# Altium PCB AMP.PcbDoc (part 1 of 5) (continued)
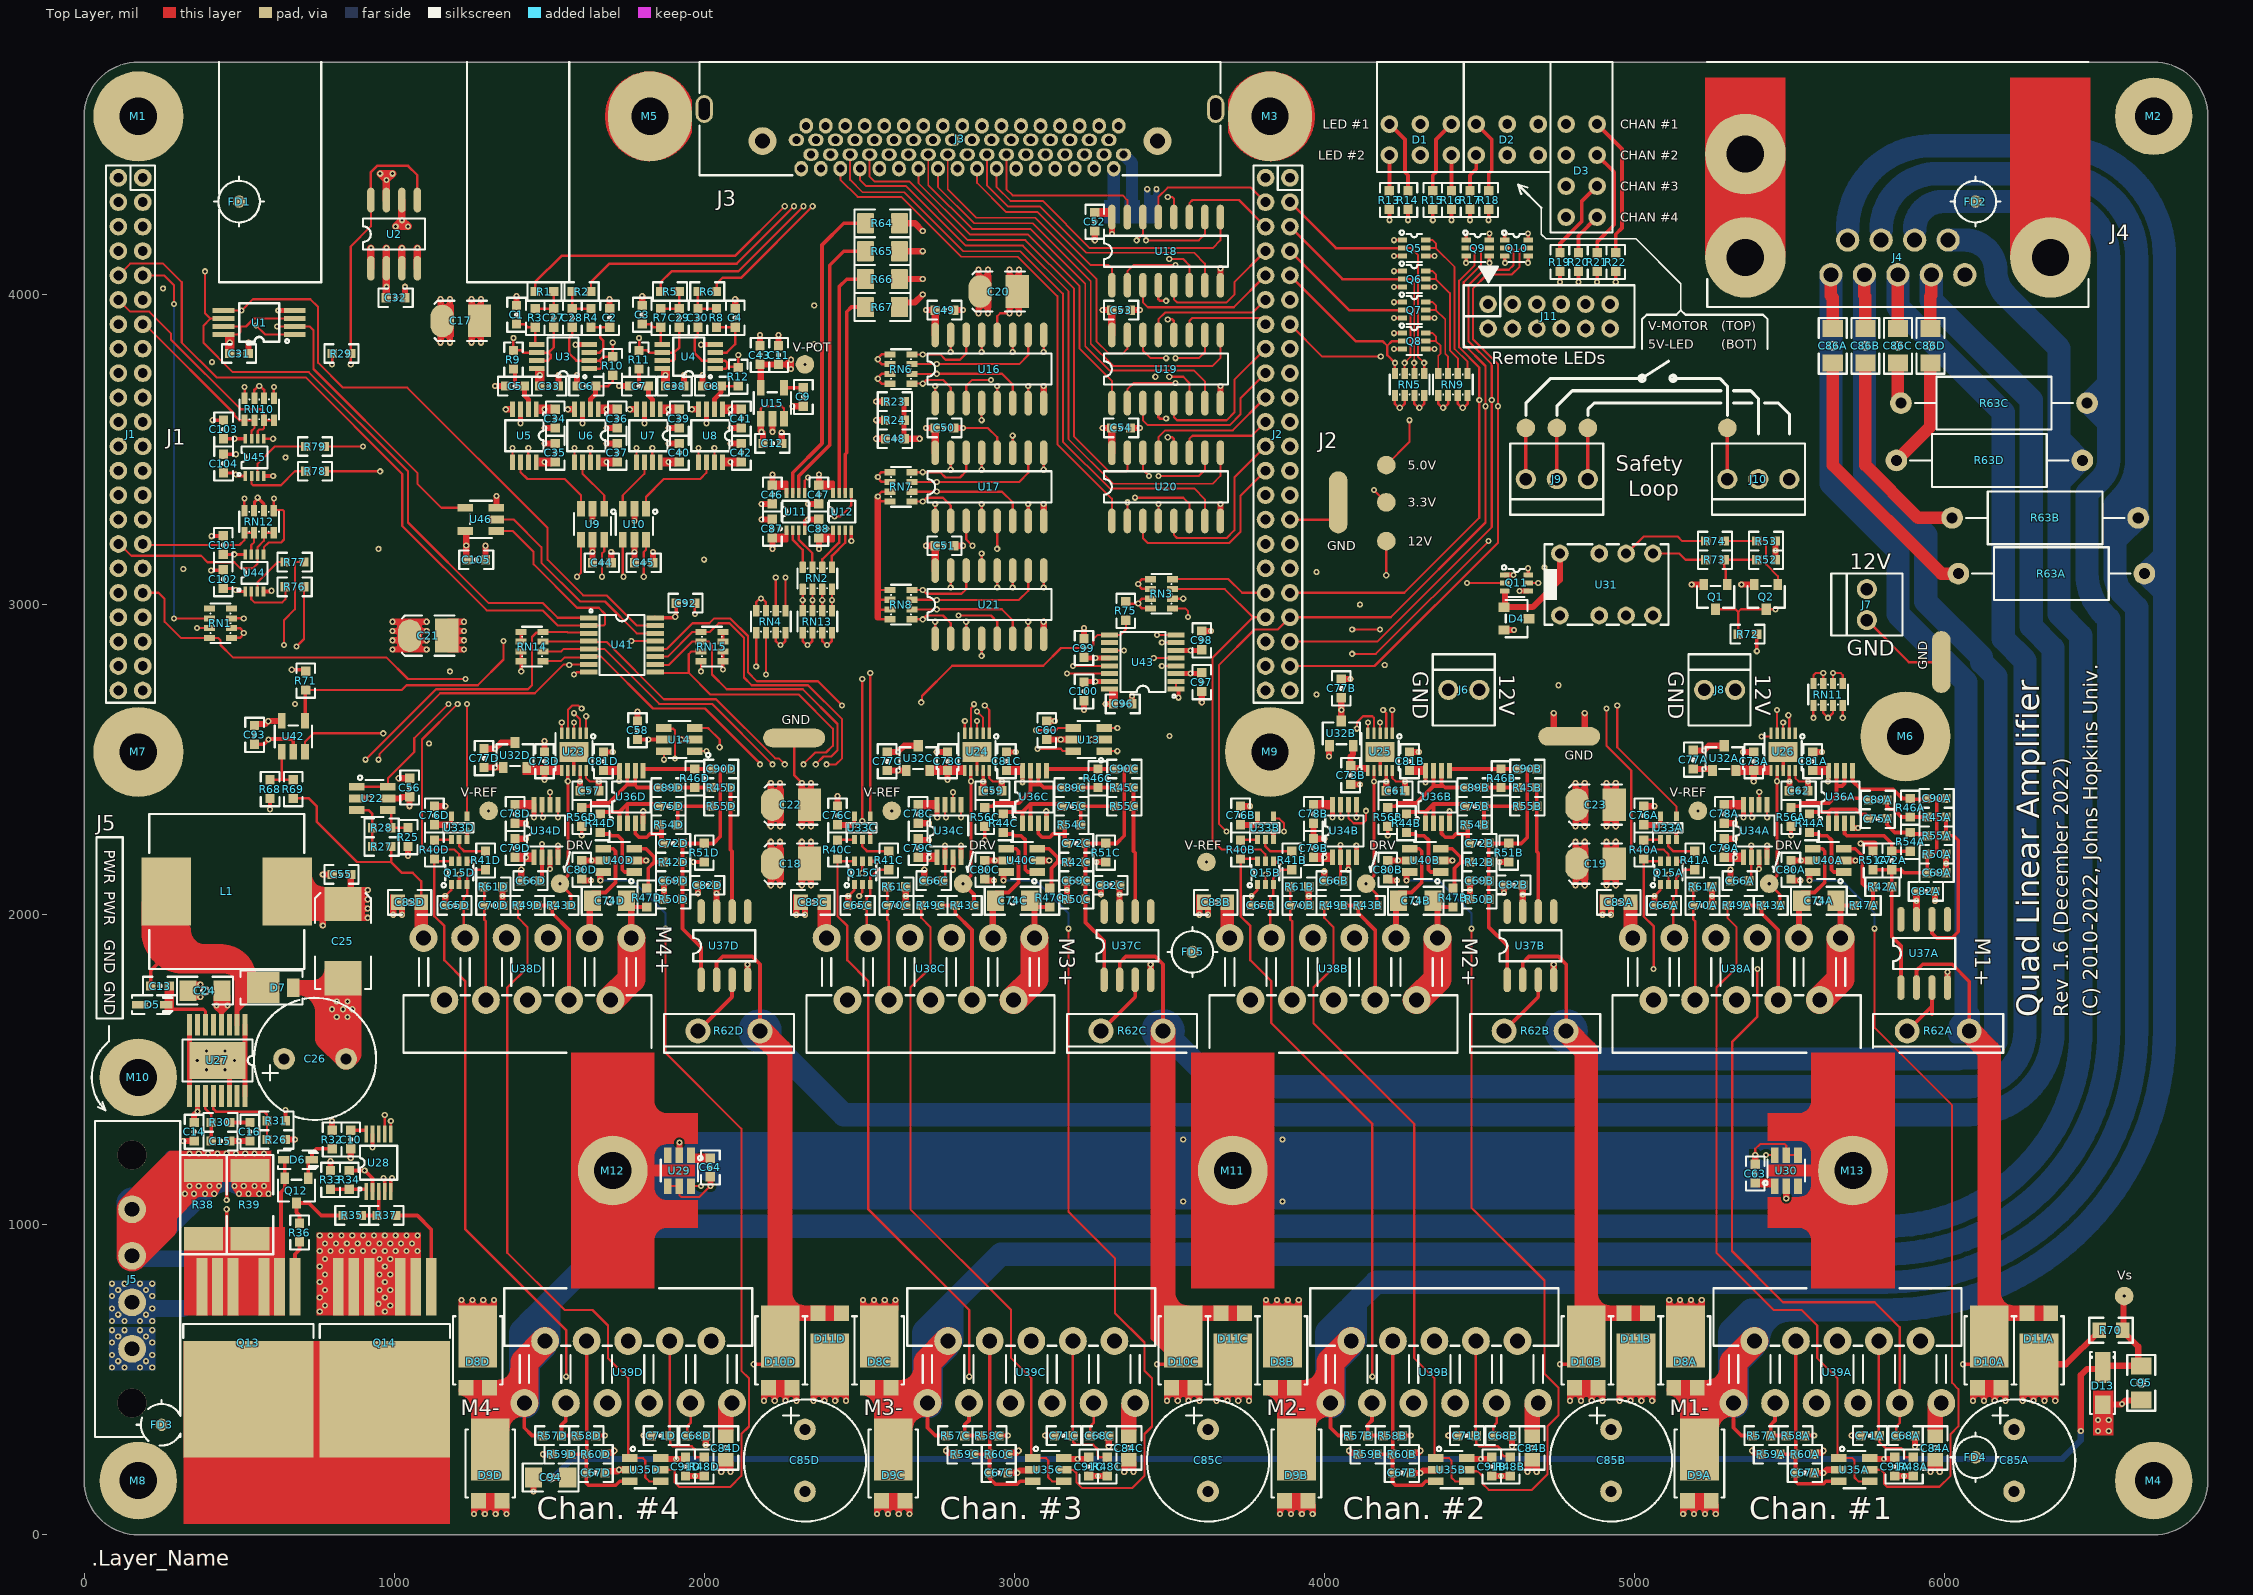
[diagram p0: Top Layer view]
## Components (designator, comment, footprint, x,y, rotation, side; value= is the part's Value field where it differs from the comment) (continued)
C70D "0.01uF" C0603 1320,2030 r0 top (schematic designator C70)
C71A "0.01uF" C0603 5760,320 r180 top (schematic designator C71)
C71B "0.01uF" C0603 4460,320 r180 top (schematic designator C71)
C71C "0.01uF" C0603 3160,320 r180 top (schematic designator C71)
C71D "0.01uF" C0603 1860,320 r180 top (schematic designator C71)
C72A "0.068uF" C0603 5830,2175 r90 top (schematic designator C72)
C72B "0.068uF" C0603 4500,2230 r180 top (schematic designator C72)
C72C "0.068uF" C0603 3200,2230 r180 top (schematic designator C72)
C72D "0.068uF" C0603 1900,2230 r180 top (schematic designator C72)
C73A "2.2uF" C0603 5385,2495 r90 top (schematic designator C73)
C73B "2.2uF" C0603 4085,2450 r270 top (schematic designator C73)
C73C "2.2uF" C0603 2785,2495 r90 top (schematic designator C73)
C73D "2.2uF" C0603 1485,2495 r90 top (schematic designator C73)
C74A "0.1uF" C1206 5595,2045 r0 top (schematic designator C74)
C74B "0.1uF" C1206 4295,2045 r0 top (schematic designator C74)
C74C "0.1uF" C1206 2995,2045 r0 top (schematic designator C74)
C74D "0.1uF" C1206 1695,2045 r0 top (schematic designator C74)
C75A "0.1uF" C0603 5785,2310 r180 top (schematic designator C75)
C75B "0.1uF" C0603 4485,2350 r180 top (schematic designator C75)
C75C "0.1uF" C0603 3185,2350 r180 top (schematic designator C75)
C75D "0.1uF" C0603 1885,2350 r180 top (schematic designator C75)
C76A "0.1uF" C0603 5030,2320 r90 top (schematic designator C76)
C76B "0.1uF" C0603 3730,2320 r90 top (schematic designator C76)
C76C "0.1uF" C0603 2430,2320 r90 top (schematic designator C76)
C76D "0.1uF" C0603 1130,2320 r90 top (schematic designator C76)
C77A "0.1uF" C0603 5190,2500 r270 top (schematic designator C77)
C77B "0.1uF" C0603 4055,2730 r90 top (schematic designator C77)
C77C "0.1uF" C0603 2590,2495 r270 top (schematic designator C77)
C77D "0.1uF" C0603 1290,2505 r270 top (schematic designator C77)
C78A "0.1uF" C0603 5290,2325 r270 top (schematic designator C78)
C78B "0.1uF" C0603 3965,2325 r270 top (schematic designator C78)
C78C "0.1uF" C0603 2690,2325 r270 top (schematic designator C78)
C78D "0.1uF" C0603 1390,2325 r270 top (schematic designator C78)
C79A "0.1uF" C0603 5290,2215 r90 top (schematic designator C79)
C79B "0.1uF" C0603 3965,2215 r90 top (schematic designator C79)
C79C "0.1uF" C0603 2690,2215 r90 top (schematic designator C79)
C79D "0.1uF" C0603 1390,2215 r90 top (schematic designator C79)
C80A "0.1uF" C0603 5505,2145 r270 top (schematic designator C80)
C80B "0.1uF" C0603 4205,2145 r270 top (schematic designator C80)
C80C "0.1uF" C0603 2905,2145 r270 top (schematic designator C80)
C80D "0.1uF" C0603 1605,2145 r270 top (schematic designator C80)
C81A "0.1uF" C0603 5575,2495 r90 top (schematic designator C81)
C81B "0.1uF" C0603 4275,2495 r90 top (schematic designator C81)
C81C "0.1uF" C0603 2975,2495 r90 top (schematic designator C81)
C81D "0.1uF" C0603 1675,2495 r90 top (schematic designator C81)
C82A "0.1uF" C0603 5940,2075 r0 top (schematic designator C82)
C82B "0.1uF" C0603 4610,2096 r180 top (schematic designator C82)
C82C "0.1uF" C0603 3310,2095 r180 top (schematic designator C82)
C82D "0.1uF" C0603 2010,2095 r180 top (schematic designator C82)
C83A "0.1uF" C0805#1 4950,2040 r0 top (schematic designator C83)
C83B "0.1uF" C0805#1 3650,2040 r0 top (schematic designator C83)
C83C "0.1uF" C0805#1 2350,2040 r0 top (schematic designator C83)
C83D "0.1uF" C0805#1 1050,2040 r0 top (schematic designator C83)
C84A "0.1uF" C0805#2 5970,280 r90 top (schematic designator C84)
C84B "0.1uF" C0805#2 4670,280 r90 top (schematic designator C84)
C84C "0.1uF" C0805#2 3370,280 r90 top (schematic designator C84)
C84D "0.1uF" C0805#2 2070,280 r90 top (schematic designator C84)
C85A "220uF" CAP-10MM 6225,240 r270 top (schematic designator C85)
C85B "220uF" CAP-10MM 4925,240 r270 top (schematic designator C85)
C85C "220uF" CAP-10MM 3625,240 r270 top (schematic designator C85)
C85D "220uF" CAP-10MM 2325,240 r270 top (schematic designator C85)
C86A "0.1uF" C1206 5640,3835 r270 top (schematic designator C86)
C86B "0.1uF" C1206 5745,3835 r270 top (schematic designator C86)
C86C "0.1uF" C1206 5850,3835 r270 top (schematic designator C86)
C86D "0.1uF" C1206 5955,3835 r270 top (schematic designator C86)
C87 "0.1uF" C0603 2220,3245 r90 top
C88 "0.1uF" C0603 2370,3245 r90 top
C89A "200pF" C0603 5785,2370 r180 top (schematic designator C89)
C89B "200pF" C0603 4485,2410 r180 top (schematic designator C89)
C89C "200pF" C0603 3185,2410 r180 top (schematic designator C89)
C89D "200pF" C0603 1885,2410 r180 top (schematic designator C89)
C90A "100pF" C0603 5975,2375 r180 top (schematic designator C90)
C90B "100pF" C0603 4655,2470 r180 top (schematic designator C90)
C90C "100pF" C0603 3355,2470 r180 top (schematic designator C90)
C90D "100pF" C0603 2055,2470 r180 top (schematic designator C90)
C91A "0.1uF" C0603 5840,220 r270 top (schematic designator C91)
C91B "0.1uF" C0603 4540,220 r270 top (schematic designator C91)
C91C "0.1uF" C0603 3240,220 r270 top (schematic designator C91)
C91D "0.1uF" C0603 1940,220 r270 top (schematic designator C91)
C92 "0.047uF" C0603 1940,3005 r0 top
C93 "0.1uF" C0603 550,2580 r270 top
C94 "2.2uF" C1206 1505,185 r180 top
C95 "2.2uF" C1206 6635,490 r270 top
C96 "0.1uF" C0603 3350,2680 r0 top
C97 "0.1uF" C0603 3605,2750 r270 top
C98 "0.1uF" C0603 3605,2885 r90 top
C99 "0.1uF" C0603 3225,2860 r90 top
C100 "0.1uF" C0603 3225,2720 r270 top
C101 "0.1uF" C0603 449.25,3192.38 r90 top
C102 "0.1uF" C0603 449.25,3082.38 r90 top
C103 "0.1uF" C0603 450,3565 r90 top
C104 "0.1uF" C0603 450,3455 r90 top
C105 "0.1uF" C0603 1265,3145 r0 top
D1 "RED/GREEN" LED-3MM-2C-DUAL 4310,4550 r0 top
D2 "RED/GREEN" LED-3MM-2C-DUAL 4590,4550 r0 top
D3 "GREEN" LED-3MM-QUAD 4830,4550 r0 top
D4 "DZ23C6V8" SOT-23#1 4620,2955 r270 top
D5 "1N4148WS" SOD-323 220,1710 r180 top
D6 "1N4148WS" SOD-323 690,1210 r180 top
D7 "60V, 1A" SMP 605,1765 r0 top
D8A "PDS560" POWERDI-5 5165,595 r0 top (schematic designator D8)
D8B "PDS560" POWERDI-5 3865,595 r0 top (schematic designator D8)
D8C "PDS560" POWERDI-5 2565,595 r0 top (schematic designator D8)
D8D "PDS560" POWERDI-5 1270,595 r0 top (schematic designator D8)
D9A "PDS560" POWERDI-5 5210,230 r0 top (schematic designator D9)
D9B "PDS560" POWERDI-5 3910,230 r0 top (schematic designator D9)
D9C "PDS560" POWERDI-5 2610,230 r0 top (schematic designator D9)
D9D "PDS560" POWERDI-5 1310,230 r0 top (schematic designator D9)
D10A "PDS560" POWERDI-5 6145,595 r0 top (schematic designator D10)
D10B "PDS560" POWERDI-5 4845,595 r0 top (schematic designator D10)
D10C "PDS560" POWERDI-5 3545,595 r0 top (schematic designator D10)
D10D "PDS560" POWERDI-5 2245,595 r0 top (schematic designator D10)
D11A "PDS560" POWERDI-5 6305,595 r180 top (schematic designator D11)
D11B "PDS560" POWERDI-5 5005,595 r180 top (schematic designator D11)
D11C "PDS560" POWERDI-5 3705,595 r180 top (schematic designator D11)
D11D "PDS560" POWERDI-5 2405,595 r180 top (schematic designator D11)
D12 "SMAJ64CA" SMA 320,810 r270 bottom
D13 "DFLZ36" PowerDI-123 6510,490 r270 top
FD1 "FD" FD 500,4300 r0 top
FD2 "FD" FD 6100,4300 r0 top
FD3 "FD" FD 250,355 r0 top
FD4 "FD" FD 6100,250 r0 top
FD5 "FD" FD 3575,1880 r0 top
J1 "HEADER 22x2-1" HDR-22x2-2MM 150,3550 r270 top locked
J2 "HEADER 22x2-1" HDR-22x2-2MM 3850,3550 r270 top locked
J3 "HEADER VHDCI" CONN-VHDCI 2825,4495 r180 top locked
J4 "DB9-GND" DB9F/RA-545-HDP 5850,4120 r0 top
J5 "HEADER 4" WM-BL381-4 155,825 r90 top
J6 "HEADER 2" HDR-2x1-100 4450,2725 r180 top
J7 "HEADER 2" HDR-2x1-100 5750,3000 r270 top
J8 "HEADER 2" HDR-2x1-100 5275,2725 r180 top
J9 "HEADER 3" HDR-3x1-100 4750,3405 r180 top
J10 "HEADER 3" HDR-3x1-100 5400,3405 r180 top
J11 "DF-11" HDR-6x2-2MM 4725,3930 r0 top
L1 "100uH" INDUCTOR-DR12x 460,2075 r0 top
M1 "MHOLE" MHOLE4#1 175,4575 r270 top
M2 "MHOLE" MHOLE4#2 6675,4575 r270 top
M3 "MHOLE" MHOLE4#3 3825,4575 r270 top
M4 "MHOLE" MHOLE4#2 6675,175 r270 top
M5 "MHOLE" MHOLE4#3 1825,4575 r270 top
M6 "MHOLE" MHOLE4#4 6025,2575 r270 top
M7 "MHOLE" MHOLE4#1 175,2525 r270 top
M8 "MHOLE" MHOLE4#2 175,175 r0 top
M9 "MHOLE" MHOLE4#1 3825,2525 r270 top
M10 "MHOLE" MHOLE4#2 175,1475 r0 top
M11 "MHOLE" MHOLE4#5 3705,1175 r0 top
M12 "MHOLE" MHOLE4#6 1705,1175 r0 top
M13 "MHOLE" MHOLE4#6 5705,1175 r0 top
Q1 "MMBT5551" SOT-23#2 5262,3025 r180 top
Q2 "MMBT5551" SOT-23#2 5425,3025 r180 top
Q5 "BSS8402" SC70-6 4290,4150 r270 top
Q6 "BSS8402" SC70-6 4290,4050 r270 top
Q7 "BSS8402" SC70-6 4290,3950 r270 top
Q8 "BSS8402" SC70-6 4290,3850 r270 top
Q9 "PMG30XN" SC70-6 4495,4150 r270 top
Q10 "PMG30XN" SC70-6 4620,4150 r270 top
Q11 "PMG30XN" SC70-6 4620,3070 r270 top
Q12 "MMBT5551" SOT-23#2 685,1110 r180 top
Q13 "IPB039N10N3" TO-263-7 530,495 r180 top
Q14 "IPB039N10N3" TO-263-7 970,495 r180 top
Q15A "PMG30XN" SC70-6 5110,2135 r0 top (schematic designator Q15)
Q15B "PMG30XN" SC70-6 3810,2135 r0 top (schematic designator Q15)
Q15C "PMG30XN" SC70-6 2510,2135 r0 top (schematic designator Q15)
Q15D "PMG30XN" SC70-6 1210,2135 r0 top (schematic designator Q15)
R1 "464" R0603#1 1485,4010 r0 top
R2 "464" R0603#1 1605,4010 r180 top
R3 "464" R0603#1 1455,3925 r270 top
R4 "464" R0603#1 1635,3925 r270 top
R5 "464" R0603#1 1890,4010 r0 top
R6 "464" R0603#1 2010,4010 r180 top
R7 "464" R0603#1 1860,3925 r270 top
R8 "464" R0603#1 2040,3925 r270 top
R9 "100" R0603#1 1385,3790 r270 top
R10 "100" R0603#1 1705,3770 r270 top
R11 "100" R0603#1 1790,3790 r270 top
R12 "100" R0603#1 2110,3735 r270 top
R13 "150" R0603#1 4210,4305 r90 top
R14 "150" R0603#1 4270,4305 r90 top
R15 "150" R0603#1 4350,4305 r90 top
R16 "150" R0603#1 4410,4305 r90 top
R17 "150" R0603#1 4470,4305 r270 top
R18 "150" R0603#1 4530,4305 r270 top
R19 "150" R0603#1 4760,4105 r270 top
R20 "150" R0603#1 4820,4105 r270 top
R21 "150" R0603#1 4880,4105 r270 top
R22 "150" R0603#1 4940,4105 r270 top
R23 "1.00K" R0603#1 2615,3655 r0 top
R24 "1.00K" R0603#1 2615,3595 r180 top
R25 "1.00K" R0603#1 1045,2250 r270 top
R26 "1.00K" R0603#1 620,1275 r0 top
R27 "127K" R0603#1 960,2220 r180 top
R28 "4.02K" R0603#1 960,2280 r0 top
R29 "4.02K" R0603#1 830,3810 r0 top
R30 "2.21K" R0603#1 440,1330 r180 top
R31 "8.87K" R0603#1 620,1335 r180 top
R32 "10.0K" R0603#1 800,1275 r90 top
R33 "2.43K" R0603#1 795,1145 r90 top
R34 "100K" R0603#1 855,1145 r270 top
R35 "1.00M" R0603#1 865,1030 r180 top
R36 "10.0" R0603#1 695,975 r270 top
R37 "10.0" R0603#1 975,1030 r0 top
R38 "0.006" R2512 385,1065 r270 top locked
R39 "0.006" R2512 535,1065 r270 top locked
R40A "10.0K" R0603#1 5030,2210 r90 top (schematic designator R40)
R40B "10.0K" R0603#1 3730,2210 r90 top (schematic designator R40)
R40C "10.0K" R0603#1 2430,2210 r90 top (schematic designator R40)
R40D "10.0K" R0603#1 1130,2210 r90 top (schematic designator R40)
R41A "10.0K" R0603#1 5195,2175 r90 top (schematic designator R41)
R41B "10.0K" R0603#1 3895,2175 r90 top (schematic designator R41)
R41C "10.0K" R0603#1 2595,2175 r90 top (schematic designator R41)
R41D "10.0K" R0603#1 1295,2175 r90 top (schematic designator R41)
R42A "10.0K" R0603#1 5800,2090 r0 top (schematic designator R42)
R42B "10.0K" R0603#1 4500,2170 r0 top (schematic designator R42)
R42C "10.0K" R0603#1 3200,2170 r0 top (schematic designator R42)
R42D "10.0K" R0603#1 1900,2170 r0 top (schematic designator R42)
R43A "10.0K" R0603#1 5440,2030 r180 top (schematic designator R43)
R43B "10.0K" R0603#1 4140,2030 r180 top (schematic designator R43)
R43C "10.0K" R0603#1 2840,2030 r180 top (schematic designator R43)
R43D "10.0K" R0603#1 1540,2030 r180 top (schematic designator R43)
R44A "10.0K" R0603#1 5565,2295 r270 top (schematic designator R44)
R44B "10.0K" R0603#1 4265,2295 r270 top (schematic designator R44)
R44C "10.0K" R0603#2 2965,2295 r270 top (schematic designator R44)
R44D "10.0K" R0603#1 1665,2295 r270 top (schematic designator R44)
R45A "26.7K" R0603#1 5975,2315 r180 top (schematic designator R45)
R45B "26.7K" R0603#1 4655,2410 r180 top (schematic designator R45)
R45C "26.7K" R0603#1 3355,2410 r180 top (schematic designator R45)
R45D "26.7K" R0603#1 2055,2410 r180 top (schematic designator R45)
R46A "26.7" R0603#1 5890,2345 r90 top (schematic designator R46)
R46B "26.7" R0603#1 4570,2440 r90 top (schematic designator R46)
R46C "26.7" R0603#1 3270,2440 r90 top (schematic designator R46)
R46D "26.7" R0603#1 1970,2440 r90 top (schematic designator R46)
R47A "182K" R0603#1 5740,2030 r180 top (schematic designator R47)
R47B "182K" R0603#1 4415,2055 r270 top (schematic designator R47)
R47C "182K" R0603#1 3115,2055 r270 top (schematic designator R47)
R47D "182K" R0603#1 1815,2055 r270 top (schematic designator R47)
R48A "4.99K" R0603#1 5900,220 r270 top (schematic designator R48)
R48B "4.99K" R0603#1 4600,220 r270 top (schematic designator R48)
R48C "4.99K" R0603#1 3300,220 r270 top (schematic designator R48)
R48D "4.99K" R0603#1 2000,220 r270 top (schematic designator R48)
R49A "182K" R0603#1 5330,2030 r180 top (schematic designator R49)
R49B "182K" R0603#1 4030,2030 r180 top (schematic designator R49)
R49C "182K" R0603#1 2730,2030 r180 top (schematic designator R49)
R49D "182K" R0603#1 1430,2030 r180 top (schematic designator R49)
R50A "62.0" R0603#1 5975,2195 r180 top (schematic designator R50)
R50B "62.0" R0603#1 4500,2050 r0 top (schematic designator R50)
R50C "62.0" R0603#1 3200,2050 r0 top (schematic designator R50)
R50D "62.0" R0603#1 1900,2050 r0 top (schematic designator R50)
R51A "62.0" R0603#1 5770,2175 r90 top (schematic designator R51)
R51B "62.0" R0603#1 4595,2200 r270 top (schematic designator R51)
R51C "62.0" R0603#1 3295,2200 r270 top (schematic designator R51)
R51D "62.0" R0603#1 2000,2200 r270 top (schematic designator R51)
R52 "4.99K" R0603#1 5425,3145 r0 top
R53 "4.99K" R0603#1 5425,3205 r0 top
R54A "26.7K" R0603#1 5890,2235 r270 top (schematic designator R54)
R54B "26.7K" R0603#1 4485,2290 r180 top (schematic designator R54)
R54C "26.7K" R0603#1 3185,2290 r180 top (schematic designator R54)
R54D "26.7K" R0603#1 1885,2290 r180 top (schematic designator R54)
R55A "26.7K" R0603#1 5975,2255 r180 top (schematic designator R55)
R55B "26.7K" R0603#1 4655,2350 r180 top (schematic designator R55)
R55C "26.7K" R0603#1 3355,2350 r180 top (schematic designator R55)
R55D "26.7K" R0603#1 2055,2350 r180 top (schematic designator R55)
R56A "100" R0603#1 5505,2315 r270 top (schematic designator R56)
R56B "100" R0603#1 4205,2315 r270 top (schematic designator R56)
R56C "100" R0603#1 2905,2315 r270 top (schematic designator R56)
R56D "100" R0603#1 1605,2315 r270 top (schematic designator R56)
R57A "20.0K" R0603#1 5410,320 r180 top (schematic designator R57)
R57B "20.0K" R0603#1 4110,320 r180 top (schematic designator R57)
R57C "20.0K" R0603#1 2810,320 r180 top (schematic designator R57)
R57D "20.0K" R0603#1 1510,320 r180 top (schematic designator R57)
R58A "20.0K" R0603#1 5520,320 r180 top (schematic designator R58)
R58B "20.0K" R0603#1 4220,320 r180 top (schematic designator R58)
R58C "20.0K" R0603#1 2920,320 r180 top (schematic designator R58)
R58D "20.0K" R0603#1 1620,320 r180 top (schematic designator R58)
R59A "20.0K" R0603#1 5440,260 r180 top (schematic designator R59)
R59B "20.0K" R0603#1 4140,260 r180 top (schematic designator R59)
R59C "20.0K" R0603#1 2840,260 r180 top (schematic designator R59)
R59D "20.0K" R0603#1 1540,260 r180 top (schematic designator R59)
R60A "20.0K" R0603#1 5550,260 r0 top (schematic designator R60)
R60B "20.0K" R0603#1 4250,260 r0 top (schematic designator R60)
R60C "20.0K" R0603#1 2950,260 r0 top (schematic designator R60)
R60D "20.0K" R0603#1 1650,260 r0 top (schematic designator R60)
R61A "6.04K" R0603#1 5220,2090 r0 top (schematic designator R61)
R61B "6.04K" R0603#1 3920,2090 r0 top (schematic designator R61)
R61C "6.04K" R0603#1 2620,2090 r0 top (schematic designator R61)
R61D "6.04K" R0603#1 1320,2090 r0 top (schematic designator R61)
R62A "0.20" TO-220-2 5980,1625 r180 top (schematic designator R62)
R62B "0.20" TO-220-2 4680,1625 r180 top (schematic designator R62)
R62C "0.20" TO-220-2 3380,1625 r180 top (schematic designator R62)
R62D "0.20" TO-220-2 2080,1625 r180 top (schematic designator R62)
R63A "4.70" R-1/2W 6345,3100 r0 top (schematic designator R63)
R63B "4.70" R-1/2W 6325,3280 r0 top (schematic designator R63)
R63C "4.70" R-1/2W 6160,3650 r0 top (schematic designator R63)
R63D "4.70" R-1/2W 6145,3465 r0 top (schematic designator R63)
R64 "100" R1206 2575,4230 r0 top
R65 "100" R1206 2575,4140 r0 top
R66 "100" R1206 2575,4050 r0 top
R67 "100" R1206 2575,3960 r0 top
R68 "1K" R0603#1 600,2405 r90 top
R69 "20K" R0603#1 675,2405 r270 top
R70 "1.5K" R0805 6537.37,659.9 r180 top
R71 "10K" R0603#1 715,2755 r270 top
R72 "10K" R0603#1 5365,2905 r180 top
R73 "49.9K" R0603#1 5260,3145 r0 top
R74 "49.9K" R0603#1 5260,3205 r0 top
R75 "1.0K" R0603#1 3360,2980 r90 top
R76 "100" R0603#1 679.25,3057.38 r0 top
R77 "100" R0603#1 679.25,3137.38 r0 top
R78 "100" R0603#1 745,3430 r0 top
R79 "100" R0603#1 745,3510 r0 top
RN1 "1.0K" RN-742C083#1 440,2940 r90 top
RN2 "1.0K" RN-742C083#2 2365,3085 r0 top
RN3 "1.0K" RN-742C083#1 3475,3035 r270 top
RN4 "1.0K" RN-742C083#1 2215,2945 r0 top
RN5 "1.0K" RN-742C083#1 4275,3710 r0 top
RN6 "10K" RN-742C083#1 2635,3760 r270 top
RN7 "10K" RN-742C083#1 2635,3380 r270 top
RN8 "10K" RN-742C083#1 2635,3000 r270 top
RN9 "10K" RN-742C083#1 4415,3710 r0 top
RN10 "100" RN-742C083#1 565,3630 r0 top
RN11 "100" RN-742C083#1 5625,2710 r180 top
RN12 "100" RN-742C083#1 564.25,3267.38 r0 top
RN13 "10K" RN-742C083#1 2365,2945 r0 top
RN14 "10K" RN-742C083#1 1445,2865 r90 top
RN15 "10K" RN-742C083#1 2025,2865 r90 top
U1 "25AA128" TSSOP-8 565,3910 r90 top
U2 "TPS2046" SO-8 1000,4195 r0 top
U3 "MCP6V87" MSOP-8 1545,3800 r90 top
U4 "MCP6V87" MSOP-8 1950,3800 r90 top
U5 "LTC1864 or AD7694" MSOP-8 1420,3545 r180 top
U6 "LTC1864 or AD7694" MSOP-8 1620,3545 r180 top
U7 "LTC1864 or AD7694" MSOP-8 1820,3545 r180 top
U8 "LTC1864 or AD7694" MSOP-8 2020,3545 r180 top
U9 "74LVC2G17" SOT-23-6 1640,3260 r180 top
U10 "74LVC2G17" SOT-23-6 1775,3260 r180 top
U11 "74LVC2T45" US8-8 2295,3300 r0 top
U12 "74LVC2T45" US8-8 2445,3300 r0 top
U13 "74LVC2G17" SOT-23-6 3240,2565 r90 top
U14 "74LVC2G17" SOT-23-6 1920,2565 r90 top
U15 "LP2985-4.5" SOT-23-5 2220,3650 r0 top
U16 "AM26LV32" SO-16 2920,3760 r0 top
U17 "AM26LV32" SO-16 2920,3380 r0 top
U18 "AM26LV32" SO-16 3490,4140 r0 top
U19 "AM26LV32" SO-16 3490,3760 r0 top
U20 "AM26LV32" SO-16 3490,3380 r0 top
U21 "AM26LV32" SO-16 2920,3000 r0 top
U22 "LT6700-1" SOT-23-6 930,2375 r270 top
U23 "LTC2601" DFN-10 1580,2525 r180 top
U24 "LTC2601" DFN-10 2880,2525 r180 top
U25 "LTC2601" DFN-10 4180,2525 r180 top
U26 "LTC2601" DFN-10 5480,2525 r180 top
U27 "LT1766" TSSOP-17 430,1530 r180 top
U28 "LT4356-MS10" MSOP-10 950,1200 r0 top
U29 "MAX6576" SOT-23-6 1920,1175 r180 top
U30 "MAX6576" SOT-23-6 5490,1175 r0 top
U31 "RELAY DPDT" RELAY-IM03TS 4910,3065 r0 top
U32A "AP7333-2.5SR" SOT-23#2 5290,2505 r0 top (schematic designator U32)
U32B "AP7333-2.5SR" SOT-23#2 4055,2585 r0 top (schematic designator U32)
U32C "AP7333-2.5SR" SOT-23#2 2690,2505 r0 top (schematic designator U32)
U32D "AP7333-2.5SR" SOT-23#2 1390,2515 r0 top (schematic designator U32)
U33A "SN74LVC1G08DCK" SC70-5 5110,2280 r0 top (schematic designator U33)
U33B "SN74LVC1G08DCK" SC70-5 3810,2280 r0 top (schematic designator U33)
U33C "SN74LVC1G08DCK" SC70-5 2510,2280 r0 top (schematic designator U33)
U33D "SN74LVC1G08DCK" SC70-5 1210,2280 r0 top (schematic designator U33)
U34A "LTC1864 or AD7694" MSOP-8 5390,2270 r0 top (schematic designator U34)
U34B "LTC1864 or AD7694" MSOP-8 4065,2270 r0 top (schematic designator U34)
U34C "LTC1864 or AD7694" MSOP-8 2790,2270 r0 top (schematic designator U34)
U34D "LTC1864 or AD7694" MSOP-8 1490,2270 r0 top (schematic designator U34)
U35A "OPA990S" SOT-23-6 5710,210 r270 top (schematic designator U35)
U35B "OPA990S" SOT-23-6 4410,210 r270 top (schematic designator U35)
U35C "OPA990S" SOT-23-6 3110,210 r270 top (schematic designator U35)
U35D "OPA990S" SOT-23-6 1810,210 r270 top (schematic designator U35)
U36A "MCP6V87" MSOP-8 5665,2380 r0 top (schematic designator U36)
U36B "MCP6V87" MSOP-8 4365,2380 r0 top (schematic designator U36)
U36C "MCP6V87" MSOP-8 3065,2380 r0 top (schematic designator U36)
U36D "MCP6V87" MSOP-8 1765,2380 r0 top (schematic designator U36)
U37A "LT1990" SO-8 5935,1875 r0 top (schematic designator U37)
U37B "LT1990" SO-8 4665,1900 r0 top (schematic designator U37)
U37C "LT1990" SO-8 3365,1900 r0 top (schematic designator U37)
U37D "LT1990" SO-8 2065,1900 r0 top (schematic designator U37)
U38A "OPA549" POWER-11-T 5330,1670 r180 top locked (schematic designator U38)
U38B "OPA549" POWER-11-T 4030,1670 r180 top locked (schematic designator U38)
U38C "OPA549" POWER-11-T 2730,1670 r180 top locked (schematic designator U38)
U38D "OPA549" POWER-11-T 1430,1670 r180 top locked (schematic designator U38)
U39A "OPA549" POWER-11-T 5655,680 r0 top locked (schematic designator U39)
U39B "OPA549" POWER-11-T 4355,680 r0 top locked (schematic designator U39)
U39C "OPA549" POWER-11-T 3055,680 r0 top locked (schematic designator U39)
U39D "OPA549" POWER-11-T 1755,680 r0 top locked (schematic designator U39)
U40A "TS5A3159A" SOT-23-6 5625,2175 r90 top (schematic designator U40)
U40B "TS5A3159A" SOT-23-6 4325,2175 r90 top (schematic designator U40)
U40C "TS5A3159A" SOT-23-6 3025,2175 r90 top (schematic designator U40)
U40D "TS5A3159A" SOT-23-6 1725,2175 r90 top (schematic designator U40)
U41 "MAX7317AEE+" QSOP-16#1 1735,2870 r270 top
U42 "LMV331M5" SOT-23-5 675,2575 r0 top
U43 "LTC2604" QSOP-16#2 3415,2815 r90 top
U44 "74LVC2T45" US8-8 549.25,3102.38 r0 top
U45 "74LVC2T45" US8-8 550,3475 r0 top
U46 "74AHC1G125" SOT-23-5 1280,3275 r90 top

## Footprints (in the part's own frame and the unit in brackets; to place one, negate y for a bottom-side part, rotate by r counter-clockwise, add the part's x,y. Pads: shape width x height; smd on the part's side, far side on the other; paste and mask are expansions set on the pad)
C0603 [mil]
  rect 30x30 smd mask+2: 1(-30,0) 2(30,0)
  silkscreen extent -55,-30 55,30, body extent -30,-15 30,15, height 24
C0805#1 [mil]
  rect 45x50 smd mask+2: 1(-37.5,0)
  rect 44x50 smd mask+2: 2(37.5,0)
  silkscreen extent -70,-40 70,40, body extent -40,-25 40,25, height 40
C0805#2 [mil]
  rect 44x50 smd mask+2: 1(-37.5,0) 2(37.5,0)
  silkscreen extent -70,-40 70,40, body extent -40,-25 40,25, height 40
C1206 [mil]
  rect 55x65 smd mask+2: 1(-55,0) 2(55,0)
  silkscreen extent -90,-45 90,45, body extent -69,-32 69,32, height 54
CAP-10MM [mil]
  round 70 / inner round 56 / far side round 70 hole 36: 1(-100,0) 2(100,0)
  silkscreen extent -197,-197 197,197
CAP-B#1 [mil]
  oval 75x105 smd mask+2: 1(-60,0)
  rect 75x105 smd mask+2: 2(60,0)
  Top Layer region: -22.5,52.5 -60,52.5 -60,-52.5 -22.5,-52.5
  silkscreen extent -85,-65 85,65, body extent -72,-59 72,59, height 87
CAP-B#2 [mil]
  oval 75x105 smd mask+2: 1(-60,0)
  rect 75x110 smd mask+2: 2(60,0)
  Top Layer region: -22.5,52.5 -60,52.5 -60,-52.5 -22.5,-52.5
  silkscreen extent -85,-65 85,65, body extent -72,-59 72,59, height 87
CAP-D-43 [mil]
  rect 110x120 smd mask+2: 1(-120,0) 2(120,0)
  silkscreen extent -155,-90 155,90, body extent -148,-91 148,91, height 173
CONN-VHDCI [mil]
  oval 44x50 hole 26: 1(511.81,88.58) 3(448.82,88.58) 5(385.83,88.58) 7(322.83,88.58) 9(259.84,88.58) 11(196.85,88.58) 13(133.86,88.58) 15(70.87,88.58) 17(7.87,88.58) 19(-55.12,88.58) 21(-118.11,88.58) 23(-181.1,88.58) 25(-244.09,88.58) 27(-307.09,88.58) 29(-370.08,88.58) 31(-433.07,88.58) 33(-496.06,88.58) 36(496.06,-49.21) 38(433.07,-49.21) 40(370.08,-49.21) 42(307.09,-49.21) 44(244.09,-49.21) 46(181.1,-49.21) 48(118.11,-49.21) 50(55.12,-49.21) 52(-7.87,-49.21) 54(-70.87,-49.21) 56(-133.86,-49.21) 58(-196.85,-49.21) 60(-259.84,-49.21) 62(-322.83,-49.21) 64(-385.83,-49.21) 66(-448.82,-49.21) 68(-511.81,-49.21)
  oval 50x40 hole 26: 2(480.31,43.31) 4(417.32,43.31) 6(354.33,43.31) 8(291.34,43.31) 10(228.35,43.31) 12(165.35,43.31) 14(102.36,43.31) 16(39.37,43.31) 18(-23.62,43.31) 20(-86.61,43.31) 22(-149.61,43.31) 24(-212.6,43.31) 26(-275.59,43.31) 28(-338.58,43.31) 30(-401.57,43.31) 32(-464.57,43.31) 34(-527.56,43.31) 35(527.56,-3.94) 37(464.57,-3.94) 39(401.57,-3.94) 41(338.58,-3.94) 43(275.59,-3.94) 45(212.6,-3.94) 47(149.61,-3.94) 49(86.61,-3.94) 51(23.62,-3.94) 53(-39.37,-3.94) 55(-102.36,-3.94) 57(-165.35,-3.94) 59(-228.35,-3.94) 61(-291.34,-3.94) 63(-354.33,-3.94) 65(-417.32,-3.94) 67(-480.31,-3.94)
  round 90 / inner round 90 / far side round 120 hole 48: 69(637,0)
  round 90 / inner round 80 / far side round 120 hole 48: 70(-637,0)
  oval 56x90 / inner oval 66x100 / far side oval 86x150 hole 36 slot 70 at 90 deg: 71(824.8,-103.54) 72(-824.8,-103.54)
  silkscreen extent -840,-255 840,110
DB9F/RA-545-HDP [mil] "Amp P/N:5205866-1"
  round 75 / inner round 70 / far side round 80 hole 48: 1(-216,-56) 2(-108,-56) 3(0,-56) 4(108,-56) 5(216,-56) 6(-162,56) 7(-54,56) 8(54,56) 9(162,56)
  round 260 / inner round 165 / far side round 250 hole 120: 10(492,0) 11(-492,0)
  silkscreen extent -615,-160 615,630
DFN-10 [mil]
  rect 11x36 smd mask+1: 1(-39.37,-60) 2(-19.69,-60) 3(0,-60) 4(19.69,-60) 5(39.37,-60) 6(39.37,60) 7(19.69,60) 8(0,60) 9(-19.69,60) 10(-39.37,60)
  rect 94x65 / inner round 20 / far side round 20 hole 10 mask+2: 11(0,0)
  silkscreen extent -69,-60 60,60, body extent -61,-61 61,61, height 31
FD [mil]
  round 40 smd paste-25: 0(0,0)
  silkscreen extent -80,-80 80,80
HDR-2x1-100 [mil] "AMP 0.100"
  round 65 / inner round 60 / far side round 75 hole 40: 1(-50,0) 2(50,0)
  silkscreen extent -100,-115 100,115
HDR-3x1-100 [mil] "AMP 0.100"
  round 65 / inner round 60 / far side round 75 hole 40: 1(100,0) 2(0,0) 3(-100,0)
  silkscreen extent -150,-115 150,115
HDR-6x2-2MM [mil]
  round 57 / inner round 52 / far side round 65 hole 32: 1(-196.85,39.37) 2(-196.85,-39.37) 3(-118.11,39.37) 4(-118.11,-39.37) 5(-39.37,39.37) 6(-39.37,-39.37) 7(39.37,39.37) 8(39.37,-39.37) 9(118.11,39.37) 10(118.11,-39.37) 11(196.85,39.37) 12(196.85,-39.37)
  silkscreen extent -275,-100 275,100
HDR-22x2-2MM [mil]
  round 57 / inner round 52 / far side round 65 hole 32: 1(-826.77,39.37) 2(-826.77,-39.37) 3(-748.03,39.37) 4(-748.03,-39.37) 5(-669.29,39.37) 6(-669.29,-39.37) 7(-590.55,39.37) 8(-590.55,-39.37) 9(-511.81,39.37) 10(-511.81,-39.37) 11(-433.07,39.37) 12(-433.07,-39.37) 13(-354.33,39.37) 14(-354.33,-39.37) 15(-275.59,39.37) 16(-275.59,-39.37) 17(-196.85,39.37) 18(-196.85,-39.37) 19(-118.11,39.37) 20(-118.11,-39.37) 21(-39.37,39.37) 22(-39.37,-39.37) 23(39.37,39.37) 24(39.37,-39.37) 25(118.11,39.37) 26(118.11,-39.37) 27(196.85,39.37) 28(196.85,-39.37) 29(275.59,39.37) 30(275.59,-39.37) 31(354.33,39.37) 32(354.33,-39.37) 33(433.07,39.37) 34(433.07,-39.37) 35(511.81,39.37) 36(511.81,-39.37) 37(590.55,39.37) 38(590.55,-39.37) 39(669.29,39.37) 40(669.29,-39.37) 41(748.03,39.37) 42(748.03,-39.37) 43(826.77,39.37) 44(826.77,-39.37)
  silkscreen extent -866,-79 866,79
INDUCTOR-DR12x [mil]
  rect 160x220 smd: 1(-195,0) 2(195,0)
  silkscreen extent -250,-250 250,250
LED-3MM-2C-DUAL [mil] "Kingbright WP130WCP"
  round 57 / inner round 52 / far side round 65 hole 32: 1(100,0) 2(0,0) 3(-100,0) 4(100,-100) 5(0,-100) 6(-100,-100)
  silkscreen extent -140,-155 140,200
LED-3MM-QUAD [mil] "Dialight 553-xxxx"
  round 57 / inner round 52 / far side round 65 hole 32 mask+2: 1(-50,0) 2(50,0) 3(-50,-100) 4(50,-100) 5(-50,-200) 6(50,-200) 7(-50,-300) 8(50,-300)
  silkscreen extent -100,-350 100,200
MHOLE4#1 [mil]
  round 290 / inner round 170 / far side round 290 hole 120: 1(0,0)
MHOLE4#2 [mil]
  round 250 / inner round 170 / far side round 290 hole 120: 1(0,0)
MHOLE4#3 [mil]
  oval 290x270 / inner round 170 / far side round 200 hole 120: 1(0,0)
MHOLE4#4 [mil]
  round 290 / inner round 170 / far side round 290 hole 120: 1(0,-150)
MHOLE4#5 [mil]
  round 225 / inner round 170 / far side round 225 hole 120: 1(0,0)
MHOLE4#6 [mil]
  round 225 / inner round 170 / far side round 250 hole 120: 1(0,0)
MSOP-8 [mil]
  rect 16x50 smd mask+1: 1(-38.39,-85) 2(-12.8,-85) 3(12.8,-85) 4(38.39,-85) 5(38.39,85) 6(12.8,85) 7(-12.8,85) 8(-38.39,85)
  silkscreen extent -70,-75 62,50, body extent -59,-96 59,96, height 43
MSOP-10 [mil]
  rect 11.5x55 smd mask+1: 1(-39.37,-92.5) 2(-19.69,-92.5) 3(0,-92.5) 4(19.69,-92.5) 5(39.37,-92.5) 6(39.37,92.5) 7(19.69,92.5) 8(0,92.5) 9(-19.69,92.5) 10(-39.37,92.5)
  silkscreen extent -65,-90 60,55, body extent -59,-96 59,96, height 43
POWER-11-T [mil]
  round 90 / inner round 80 / far side round 100 hole 48 mask+1: 1(-335,-255) 2(-268,-55) 3(-201,-255) 4(-134,-55) 5(-67,-255) 6(0,-55) 7(67,-255) 8(134,-55) 9(201,-255) 10(268,-55) 11(335,-255)
  silkscreen extent -400,-190 400,115
POWERDI-5 [mil]
  rect 48x50 smd: 1(-38,-120) 2(38,-120)
  rect 125x200 smd: 3(0,45)
  silkscreen extent -80,-110 80,110, body extent -80,-133 80,133, height 45
PowerDI-123 [mil]
  rect 100x50 smd mask+2: 1(-50,0)
  rect 60x50 smd mask+2: 2(70,0)
  silkscreen extent -100,-40 100,40, body extent -77,-38 77,38, height 39
QSOP-16#1 [mil] "QSOP-16 (Maxim), SSOP-16"
  rect 16x57.5 smd paste+0 mask+0: 1(-87.5,-107.25) 2(-62.5,-107.25) 3(-37.5,-107.25) 4(-12.5,-107.25) 5(12.5,-107.25) 6(37.5,-107.25) 7(62.5,-107.25) 8(87.5,-107.25) 9(87.5,107.25) 10(62.5,107.25) 11(37.5,107.25) 12(12.5,107.25) 13(-12.5,107.25) 14(-37.5,107.25) 15(-62.5,107.25) 16(-87.5,107.25)
  silkscreen extent -115,-105 97,73
QSOP-16#2 [mil] "QSOP-16 (Maxim), SSOP-16"
  rect 16x55 smd paste+0 mask+0: 1(-87.5,-107.25) 2(-62.5,-107.25) 3(-37.5,-107.25) 4(-12.5,-107.25) 5(12.5,-107.25) 6(37.5,-107.25) 7(62.5,-107.25) 8(87.5,-107.25) 9(87.5,107.25) 10(62.5,107.25) 11(37.5,107.25) 12(12.5,107.25) 13(-12.5,107.25) 14(-37.5,107.25) 15(-62.5,107.25) 16(-87.5,107.25)
  silkscreen extent -115,-105 96,72
R0603#1 [mil]
  rect 30x30 smd mask+2: 1(-30,0) 2(30,0)
  silkscreen extent -55,-30 55,30, body extent -30,-15 30,15, height 25
R0603#2 [mil]
  rrect10% 30x30 smd mask+2: 1(-30,0) 2(30,0)
  silkscreen extent -55,-30 55,30, body extent -30,-15 30,15, height 25
R0805 [mil]
  rect 44x50 smd: 1(-37.63,-0.1) 2(38.37,-0.1)
  silkscreen extent -70,-40 70,40
R1206 [mil]
  rrect10% 55x65 smd mask+2: 1(-55,0) 2(55,0)
  silkscreen extent -90,-45 90,45, body extent -60,-30 60,30, height 35
R2512 [mil]
  rect 75x125 smd mask+2: 1(-110,0) 2(110,0)
  silkscreen extent -160,-75 160,75, body extent -125,-60 125,60, height 35
R-1/2W [mil]
  round 70 / inner round 65 / far side round 80 hole 36 mask+2: 1(-300,0) 2(300,0)
  silkscreen extent -255,-85 255,85
RELAY-IM03TS [mil]
  round 57 / inner round 52 / far side round 70 hole 32: 1(-150,-100) 2(-23.2,-100) 3(63.4,-100) 4(150,-100) 5(150,100) 6(63.4,100) 7(-23.2,100) 8(-150,100)
  silkscreen extent -200,-130 200,130
RN-742C083#1 [mil]
  rect 20x36 smd mask+1: 1(-47.24,-35.5) 2(-15.75,-35.5) 3(15.75,-35.5) 4(47.24,-35.5) 5(47.24,35.5) 6(15.75,35.5) 7(-15.75,35.5) 8(-47.24,35.5)
  silkscreen extent -64,-32 64,32, body extent -67,-35 67,36, height 28
RN-742C083#2 [mil]
  rrect10% 20x36 smd mask+1: 1(-47.24,-35.5) 2(-15.75,-35.5) 3(15.75,-35.5) 4(47.24,-35.5) 5(47.24,35.5) 6(15.75,35.5) 7(-15.75,35.5) 8(-47.24,35.5)
  silkscreen extent -64,-32 64,32, body extent -67,-35 67,36, height 28
SC70-5 [mil]
  rect 16x30 smd mask+1: 1(-25.59,-37.5) 2(0,-37.5) 3(25.59,-37.5) 4(25.59,37.5) 5(-25.59,37.5)
  silkscreen extent -45,-15 45,15, body extent -42,-47 42,47, height 43
SC70-6 [mil]
  rect 16x30 smd mask+1: 1(-25.59,-37.5) 2(0,-37.5) 3(25.59,-37.5) 4(25.59,37.5) 5(0,37.5) 6(-25.59,37.5)
  silkscreen extent -57,-47 45,25, body extent -42,-47 42,47, height 43
SMA [mil]
  rect 54x83 smd: 1(-80,0) 2(80,0)
  silkscreen extent -120,-55 120,55
SMP [mil] "DO-220AA"
  rect 105x100 smd mask+2: 1(-27.5,0)
  rect 40x60 smd mask+2: 2(70,0)
  silkscreen extent -100,-55 100,55, body extent -77,-38 77,38, height 39
SO-8 [mil]
  oval 24x80 smd: 1(-75,-110) 2(-25,-110) 3(25,-110) 4(75,-110) 5(75,110) 6(25,110) 7(-25,110) 8(-75,110)
  silkscreen extent -100,-50 100,50, body extent -98,-122 98,122, height 69
SO-16 [mil]
  oval 24x80 smd: 1(-175,-110) 2(-125,-110) 3(-75,-110) 4(-25,-110) 5(25,-110) 6(75,-110) 7(125,-110) 8(175,-110) 9(175,110) 10(125,110) 11(75,110) 12(25,110) 13(-25,110) 14(-75,110) 15(-125,110) 16(-175,110)
  silkscreen extent -200,-50 200,50
SOD-323 [mil]
  rect 40x25 smd mask+2: 1(-45,0) 2(45,0)
  silkscreen extent -65,-30 65,30, body extent -53,-29 53,29, height 45
SOT-23#1 [mil]
  rect 30x36 smd mask+2: 1(-37,-40) 2(37,-40) 3(0,40)
  silkscreen extent -60,-35 60,35, body extent -60,-52 60,52, height 44
SOT-23#2 [mil]
  rect 28x36 smd mask+2: 1(-38,-40) 2(38,-40)
  rect 30x36 smd mask+2: 3(0,40)
  silkscreen extent -60,-35 60,35, body extent -60,-52 60,52, height 44
SOT-23-5 [mil]
  rect 25x50 smd mask+2: 1(-37.5,-50) 2(0,-50) 3(37.5,-50) 4(37.5,50) 5(-37.5,50)
  silkscreen extent -60,-35 60,35, body extent -59,-59 59,59, height 57
SOT-23-6 [mil]
  rect 25x50 smd mask+2: 1(-37.5,-50) 2(0,-50) 3(37.5,-50) 4(37.5,50) 5(0,50) 6(-37.5,50)
  silkscreen extent -74,-47 60,35, body extent -59,-59 59,59, height 57
TO-220-2 [mil]
  round 80 / inner round 70 / far side round 85 hole 48 mask+2: 1(-100,0) 2(100,0)
  silkscreen extent -210,-55 210,70
TO-263-7 [mil]
  rect 35x185 smd: 1(-150,-305) 2(-100,-305) 3(-50,-305) 5(50,-305) 6(100,-305) 7(150,-305)
  rect 420x375 smd paste-20: 4(0,57.5)
  silkscreen extent -210,-185 210,-140
TSSOP-8 [mil]
  rect 16x70 smd mask+1: 1(-38.39,-115) 2(-12.8,-115) 3(12.79,-115) 4(38.39,-115) 5(38.39,115) 6(12.8,115) 7(-12.8,115) 8(-38.39,115)
  silkscreen extent -66,-96 62,65
TSSOP-17 [mil]
  rect 16x70 smd mask+1: 1(-89.57,-115) 2(-63.98,-115) 3(-38.39,-115) 4(-12.8,-115) 5(12.79,-115) 6(38.39,-115) 7(63.98,-115) 8(89.57,-115) 9(89.57,115) 10(63.98,115) 11(38.39,115) 12(12.8,115) 13(-12.8,115) 14(-38.39,115) 15(-63.98,115) 16(-89.57,115)
  rect 180x120 smd mask+1: 17(0,0)
  silkscreen extent -113,-68 113,68
US8-8 [mil]
  rect 11.5x32 smd mask+1: 1(-29.53,-60) 2(-9.84,-60) 3(9.84,-60) 4(29.53,-60) 5(29.53,60) 6(9.84,60) 7(-9.84,60) 8(-29.53,60)
  silkscreen extent -55,-60 42,35, body extent -41,-63 41,63, height 35
WM-BL381-4 [mil] "Weidmueller BL3.81/4/180F"
  round 90 / inner round 80 / far side round 100 hole 48: 1(-225,0) 2(-75,0) 3(75,0) 4(225,0)
  round 94 hole 94 unplated: 5(-400,0) 6(400,0)
  silkscreen extent -510,-155 510,120